# Altium PCB BW1097.PcbDoc (part 3 of 7)
Units mil, origin at the board's own origin, x right, y up, seen from the top; angles counter-clockwise.
Board outline 4330.71 x 2362.21 mil, 6 copper layers (Top Copper, Signal Layer 1, Signal Layer 2, Signal Layer 3, Signal Layer 4, Bottom Copper), stack 62.873 mil thick; 270 components, 263 nets, 1210 pads, 777 vias.
Unrouted connection lines stored in the file: 24.
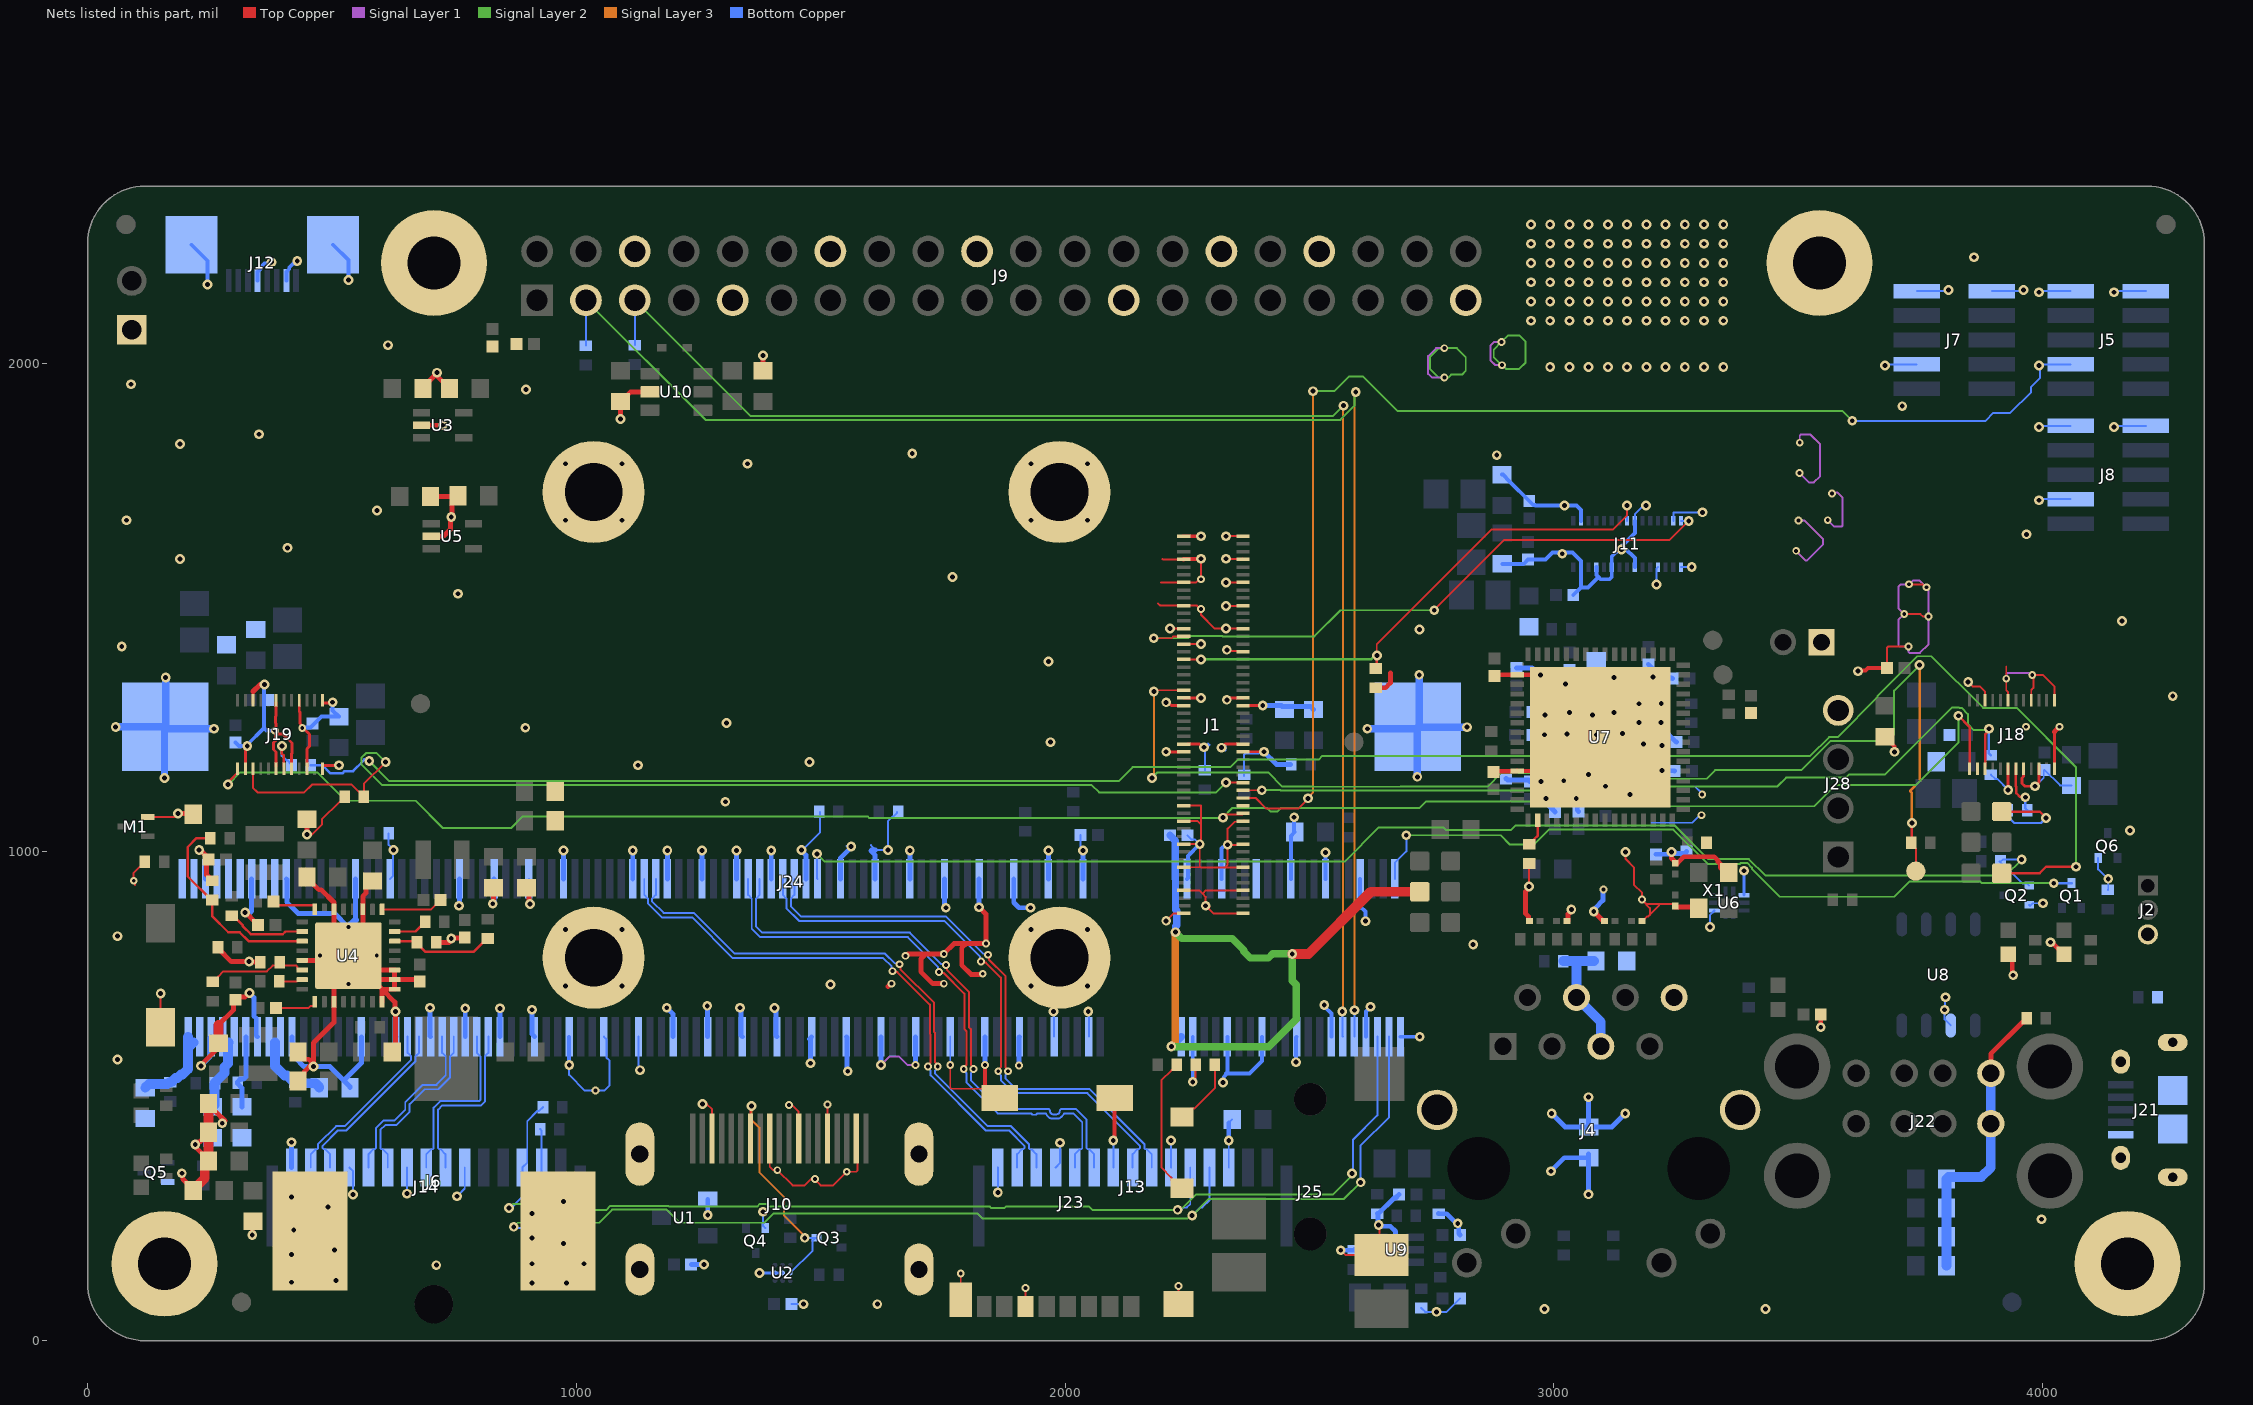
[diagram p7: the nets of this part, all layers, seen from the top]

## Via types
v1: diameter 20, hole 10, Top Copper to Bottom Copper, tented both sides, 657 vias
v2: diameter 16, hole 8, Top Copper to Bottom Copper, tented both sides, 102 vias
v3: diameter 20, hole 10, Top Copper to Bottom Copper, 16 vias
v4: diameter 62.99/0/0/0/0/62.99 (per signal layer), hole 62.99, Top Copper to Bottom Copper, 1 vias
v5: diameter 43.31/50/50/50/50/43.31 (per signal layer), hole 43.31, Top Copper to Bottom Copper, 1 vias

## Nets (pads, with @x,y where several pads share a name; then routed paths per layer and width w, separated by ;. In a path a pad name is that pad's centre, name@x,y a point inside that pad or via, vN(x,y) a via of type N, cw(c..) or ccw(c..) an arc to the next point about the centre after c; other vN are vias at no path point) (continued)
AUX_IO_IRQ: J1.69 J5.3 | length 2662
  Top Copper w4: J1.69@2363.78,1110.24 2389.73,1110.24 2411.25,1088.72 2476.71,1088.72 2496.9,1108.91 v1(2496.9,1109.52)
  Signal Layer 2 w4: v1(2507.19,1942.49) 2550.78,1942.49 2581.23,1972.94 2609.14,1972.94 2680.51,1901.57 3590.55,1901.57 v1(3610.24,1881.89)
  Signal Layer 3 w4: v1(2496.9,1109.52) 2496.9,1111.8 2507.08,1121.97 2507.08,1942.38 v1(2507.19,1942.49)
  Bottom Copper w4: v1(3610.24,1881.89) 3882.88,1881.89 3898.88,1897.89 3933.32,1897.89 3976.13,1940.69 3976.13,1951.51 3994.49,1969.87 v1@3994.49,1997.24 ; v1(3992.13,1994.88) v1@3994.49,1997.24 ; J5.3@4057.09,1997.24 v1@3994.49,1997.24
BST1: C28.1 U4.25 | length 87.8
  Top Copper w4: C28.1@385.27,680.98 452.37,680.98 456.53,685.14 461.86,685.14 464.78,688.06 U4.25@464.78,693.39
BST2: C46.1 U4.9 | length 127.8
  Top Copper w4: U4.9@602.57,882.37 703.17,882.37 C46.1@722.38,901.57
BST3: C53.1 U4.16 | length 94.6
  Top Copper w5: C53.1@380.02,898.23 387.81,890.45 462.36,890.45 464.78,888.02 U4.16@464.78,882.37
CAM1_CLK_N: J14.P8 J24.149 | length 364.9
  Bottom Copper w3.96: J14.P8@692.91,354.33 692.91,381.89 702.75,391.72 705.8,391.72 708.12,394.04 708.12,476.68 721.6,490.16 801.25,490.16 803.72,492.63 803.72,581.68 796.39,589.01 J24.149@796.39,621.89
CAM1_CLK_P: J14.P7 J24.147 | length 364.9
  Bottom Copper w3.96: J14.P7@732.28,354.33 732.28,381.89 722.45,391.72 719.4,391.72 717.08,394.04 717.08,472.97 725.31,481.2 804.96,481.2 812.68,488.92 812.68,581.68 820.01,589.01 J24.147@820.01,621.89
CAM1_D0_N: J14.P14 J24.161 | length 367.6
  Bottom Copper w3.96: J14.P14@456.69,354.33 456.69,381.89 466.53,391.72 469.58,391.72 471.9,394.04 471.9,402.47 508.41,438.98 525.72,438.98 661.99,575.25 661.99,581.68 654.66,589.01 J24.161@654.66,621.89
CAM1_D0_P: J14.P13 J24.159 | length 367.6
  Bottom Copper w3.96: J14.P13@496.06,354.33 496.06,381.89 486.23,391.72 483.17,391.72 480.86,394.04 480.86,398.76 512.12,430.02 529.43,430.02 670.95,571.54 670.95,581.68 678.28,589.01 J24.159@678.28,621.89
CAM1_D1_N: J14.P11 J24.155 | length 367.2
  Bottom Copper w3.96: J14.P11@574.8,354.33 574.8,381.89 584.64,391.72 587.69,391.72 590.01,394.04 590.01,434.78 605.42,450.19 627.72,450.19 650.03,472.51 650.03,487.69 685.78,523.44 713.57,523.44 732.86,542.73 732.86,581.68 725.53,589.01 J24.155@725.53,621.89
CAM1_D1_P: J14.P10 J24.153 | length 367.2
  Bottom Copper w3.96: J14.P10@614.17,354.33 614.17,381.89 604.34,391.72 601.28,391.72 598.97,394.04 598.97,431.07 609.13,441.24 631.43,441.24 658.99,468.8 658.99,483.98 689.49,514.48 717.28,514.48 741.82,539.02 741.82,581.68 749.15,589.01 J24.153@749.15,621.89
CAM_A_CLK_OUT: J1.28 J11.30 | length 1272.9
  Top Copper w4: v1(2181.1,1437.01) 2217.56,1437.01 2221.6,1441.05 J1.28@2241.69,1441.05 ; v1(2755.05,1494.29) 2755.05,1495.21 2897.64,1637.8 3236.22,1637.8 v1(3275.58,1677.16)
  Signal Layer 2 w4: v1(2181.1,1437.01) 2251.45,1437.01 2255.74,1441.3 2321.76,1441.3 2322.27,1440.79 2509.75,1440.79 2563.24,1494.29 v1(2755.05,1494.29)
  Bottom Copper w4: J11.30@3259.84,1677.17 v1(3275.58,1677.16)
CAM_A_PWDN_N: J1.34 J11.23 R28.1 | length 1151
  Top Copper w4: J1.34@2241.69,1393.8 v1(2277.71,1393.8) ; R28.1@2635.42,1375.22 2637.39,1375.22 2637.39,1424.79 2871.92,1659.32 3119.95,1659.32 3149.61,1688.98 v1(3149.61,1708.66)
  Top Copper w5: R28.1@2635.42,1375.22 2637.8,1377.59 v1(2637.8,1401.57)
  Signal Layer 2 w5: v1(2277.71,1393.8) 2625.96,1393.8 2633.74,1401.57 v1(2637.8,1401.57)
  Bottom Copper w4: J11.23@3149.61,1677.17 v1(3149.61,1708.66)
CAM_B_CLK_OUT: J1.73 J18.24 J19.24 | length 3949
  Top Copper w4: v1(2322.99,1069.99) 2322.99,1074.96 2324.85,1076.82 2362.9,1076.82 J1.73@2364.92,1078.84
  Top Copper w5: v1(287.4,1137.79) 290.27,1140.66 290.27,1145.19 307.09,1162.01 J19.24@307.09,1175.59 ; v1(3827.17,1278.42) 3850.39,1255.19 J18.24@3850.39,1175.59
  Signal Layer 2 w4: v1(287.4,1137.79) 312.4,1162.79 470.06,1162.79 517.58,1115.27 528.24,1104.61 671.42,1104.61 727.16,1048.87 866.35,1048.87 889.95,1072.47 1596.15,1072.47 1599.58,1069.05 2322.05,1069.05 v1(2322.99,1069.99) 2322.99,1071.34 2341.28,1089.63 2413.41,1089.63 2420.53,1082.5 2433.79,1082.5 2440.91,1089.63 2724.77,1089.63 2737.98,1102.83 2967.28,1102.83 2976.76,1093.36 3532.44,1093.36 3576.21,1137.13 3740.95,1137.13 3827.17,1223.35 v1(3827.17,1278.42)
CAM_B_D_PWM: J1.65 J19.22 R35.1 | length 2293
  Top Copper w4: J19.22@338.58,1175.59 338.33,1175.34 338.33,1131.17 347.7,1121.79 443.19,1121.79 459.19,1137.79 540.2,1137.79 R35.1@565.26,1112.74 565.26,1138.97 v1(609.96,1183.68) ; v1(2328.89,1141.83) J1.65@2364.92,1141.83
  Signal Layer 2 w4: v1(609.96,1183.68) 591.69,1201.94 569.69,1201.94 560.31,1192.57 560.31,1179.31 602.89,1136.74 2054.3,1136.74 2069.37,1121.67 2308.73,1121.67 v1(2328.89,1141.83)
CAM_B_PWDN_N: J1.67 J18.22 R33.1 | length 1769
  Top Copper w4: J1.67@2364.92,1126.09 v1(2402.31,1126.09)
  Top Copper w5: J18.22@3881.89,1175.59 3881.89,1240.04 3889.76,1247.91 v1(3889.76,1251.97)
  Signal Layer 2 w4: v1(2402.31,1126.09) 2402.7,1126.47 2440.09,1126.47 2441.05,1125.52 2503.53,1125.52 2503.76,1125.29 2784.88,1125.29 2784.95,1125.36 3066.07,1125.36 3073.04,1118.38 3111.83,1118.38 3127.23,1133.79 3456.62,1133.79 3474.76,1151.93 3597.06,1151.93 3603.59,1158.46 3677.51,1158.46 3813.98,1294.92 3829.02,1294.92 3829.52,1294.42 3833.79,1294.42 3846.54,1281.67 3846.54,1261.76 3859.08,1249.22 3887.01,1249.22 v1(3889.76,1251.97)
  Bottom Copper w5: v1(3889.76,1251.97) 3889.76,1201.41 R33.1@3893.7,1197.46
CD1_SCL: J13.P5 J14.P3 J24.5 R57.1 | length 2438.1
  Signal Layer 2 w4: v1(862.2,271.65) 870.08,279.53 948.62,279.53 960.81,267.34 1061.12,267.34 1069.75,275.97 1187.87,275.97 1189.61,274.23 1369.71,274.23 1375.26,279.78 1388.51,279.78 1394.06,274.23 1845.87,274.23 1848.95,271.15 1875.46,271.15 1878.54,274.23 2048.89,274.23 2055.43,267.7 v1(2230.11,267.7) 2236.2,267.7 2267.32,298.82 2547.57,298.82 2586.97,338.22 v1(2586.97,342.13)
  Bottom Copper w4: v1(862.2,271.65) 862.2,266.66 889.76,294.22 J14.P3@889.76,354.33 899.57,364.14 899.57,449.05 920.55,470.02 923.74,470.02 R57.1@931.75,478.03 ; v1(2230.11,267.7) 2234.03,263.78 2243.06,272.8 2249.18,272.8 2255.91,279.53 J13.P5@2255.91,354.33 ; v1(2586.97,342.13) 2587.34,341.77 2588.84,343.27 2588.84,410.85 2638.91,460.92 J24.5@2638.91,621.89
CD1_SDA: J13.P4 J14.P2 J24.3 R56.1 | length 2492
  Signal Layer 2 w4: v1(871.83,232.97) 880.14,241.28 1046.38,241.28 1073.06,267.97 1184.56,267.97 1211.25,241.28 1384.01,241.28 1402.82,260.09 1820.94,260.09 1831.26,249.78 2249.38,249.78 2255.51,255.91 v1(2259.84,255.91) 2293.89,289.96 2570.41,289.96 v1(2604.46,324.02)
  Bottom Copper w4: v1@873.83,232.97 v1(871.83,232.97) 874.67,230.12 910.5,230.12 929.13,248.75 J14.P2@929.13,354.33 929.13,429.86 R56.1@925.92,433.07 ; v1(2259.84,255.91) 2276.87,272.93 2280.54,272.93 2295.28,287.66 J13.P4@2295.28,354.33 ; v1(2604.46,324.02) 2604.46,399.49 2662.53,457.56 J24.3@2662.53,621.89
CD_SW1: J23.9 R52.1 | length 286.5
  Top Copper w4: R52.1@2228.49,564.33 2228.49,562.36 2219.66,553.53 2217.69,553.53 2196.6,532.44 2196.6,354.38 2217.35,333.63 2217.35,329.69 2235.04,312.01 J23.9@2238.98,312.01
CD_SW2: J23.10 R53.2 | length 139.3
  Top Copper w4: J23.10@2238.98,457.68 2256.66,475.36 2264.95,475.36 2306.19,516.6 R53.2@2306.19,564.33
CEC: J10.13 Q3.3 U2.A2 | length 511.3
  Top Copper w4: J10.13@1356.3,413.39 1356.3,478.03 1353.32,481 1354.33,482.01 1356.03,480.31 v1(1358.27,480.31)
  Signal Layer 3 w4: v1(1358.27,480.31) 1358.27,461.49 1353.32,456.55 1374.74,435.13 1374.74,343.58 1425.11,293.21 1425.11,256 1467.26,213.84 v1(1467.26,210.43)
  Bottom Copper w4: U2.A2@1437.73,138.78 1483.43,184.48 1483.43,204.56 Q3.3@1489.31,210.43 ; v1(1467.26,210.43) Q3.3@1489.31,210.43 ; Q3.3@1491.47,210.43 Q3.3@1489.31,210.43
CM_1V8: C89.1 J24.183 J24.184 J24.185 J24.186 R63.2 | length 158
  Bottom Copper w20: 383.51,610.24 383.51,561.73 402.71,542.53 408.26,542.53 423.23,527.56 R63.2@425.2,527.56 426.02,526.73 466.31,526.73 474.03,519.02 C89.1@474.03,517.72
CM_3V3: C91.1 J24.190 J24.191 J24.192 J24.193 J24.194 R66.2 | length 145.6
  Bottom Copper w20: C91.1@255.91,478.35 259.94,482.38 259.94,525.59 R66.2@260.76,526.41 260.76,528.38 280.25,547.87 280.25,559.97 287.4,567.12 287.4,608.73 288.91,610.24
CM_VBAT: C92.1 J24.197 J24.198 J24.199 J24.200 R67.2 | length 185.2
  Bottom Copper w20: C92.1@118.11,517.56 125.83,525.28 163.86,525.28 167.32,528.74 171.26,528.74 179.94,537.42 184.08,537.42 191.15,544.5 194.47,544.5 205.5,555.53 J24.199@205.5,599.21 ; J24.199@205.84,621.89 205.5,621.55 J24.199@205.5,599.21 ; 216.54,610.24 J24.199@205.5,599.21
CM_VDAC: C90.1 J24.189 R65.2 | length 158.1
  Bottom Copper w10: C90.1@316.08,478.35 316.08,516.6 307.09,525.59 307.09,529.53 312.91,535.35 319.49,535.35 323.95,539.81 J24.189@323.95,621.89
COM_AUX_IO2: J1.42 R37.1 TP10.1 | length 2440.7
  Top Copper w4: v1(2181.38,1328.38) 2184.63,1328.38 2186.96,1330.71 J1.42@2242.52,1330.71 ; R37.1@3730.64,1018.3 3730.64,1016.34 3740.16,1006.82 TP10.1@3740.16,960.63
  Top Copper w5: R37.1@3730.64,1018.3 3728.35,1020.6 3732.28,1024.54 v1(3732.28,1059.06)
  Signal Layer 2 w4: v1(2177.36,1151.25) 2188.49,1162.38 2316.71,1162.38 2316.9,1162.57 2415.32,1162.57 2444.36,1133.52 2506.84,1133.52 2507.08,1133.29 2685.65,1133.29 2685.97,1133.6 2864.54,1133.6 2892.43,1161.49 3026.56,1161.49 3045.6,1142.46 3076.85,1142.46 3084.78,1150.38 3198.07,1150.38 3198.88,1149.57 3312.17,1149.57 3329.75,1167.15 3506.23,1167.15 3566,1226.92 3683.44,1226.92 3695.82,1239.3 3695.82,1329.95 v1(3747.98,1382.11)
  Signal Layer 3 w4: v1(2177.36,1151.25) 2177.36,1155.58 2181.38,1159.6 v1(2181.38,1328.38)
  Signal Layer 3 w5: v1(3732.28,1059.06) 3732.28,1120.59 3728.35,1124.53 3750.33,1146.51 3747.98,1148.86 v1(3747.98,1382.11)
COMP1: R14.2 U4.23 | length 48.2
  Top Copper w4: R14.2@392.48,734.97 428.61,734.97 432.3,738.66 U4.23@439.19,738.66
COMP2: R13.2 U4.7 | length 71.6
  Top Copper w5: U4.7@628.16,837.09 670.8,837.09 680.19,846.48 682.16,846.48 690.49,854.81 R13.2@690.49,856.77
COMP3: R12.2 U4.18 | length 162.7
  Top Copper w5: R12.2@295.47,869.68 297.44,869.68 317.95,849.17 317.95,847.69 334.08,831.56 399.35,831.56 404.88,837.09 U4.18@439.19,837.09
CTAP: C1.2 J4.4 J4.5 R21.1 | length 252.4
  Bottom Copper w20: R21.1@3019.04,776.69 3045.87,776.69 J4.4@3045.87,702.26 3095.87,652.26 J4.5@3095.87,602.26 ; 3051.45,776.69 C1.2@3081.86,776.69
DSI1_CLK_N: J13.P11 J24.102 | length 1171.9
  Top Copper w4: v2(1741.96,754.27) 1743.97,752.26 1751.75,752.26 1793.89,710.11 1793.89,637.78 1798.09,633.59 1798.09,564.33 1792.59,558.83 v2(1792.59,555.98)
  Bottom Copper w3.96: v2(1792.59,555.98) 1792.59,553.17 1798.11,547.64 1798.11,528.76 1861.67,465.2 1906.03,465.2 1931.15,465.2 ccw(c1934.15,465.2) 1934.15,462.2 1939.11,462.2 ccw(c1939.11,465.2) 1942.11,465.2 1947.59,465.2 1960.69,465.2 ccw(c1975.5,469.67) 1975.5,454.2 1982.42,454.2 ccw(c1982.42,469.67) 1997.23,465.2 2016.98,465.2 2034.89,447.28 2034.89,394.04 2032.57,391.72 2029.52,391.72 2019.68,381.89 J13.P11@2019.68,354.33
  Bottom Copper w4: J24.102@1351.51,944.72 1351.51,911.85 1358.82,904.54 1358.82,843.11 1376.3,825.63 1678.38,825.63 1739.95,764.06 1739.95,756.28 v2(1741.96,754.27)
DSI1_CLK_P: J13.P10 J24.100 | length 1171.8
  Top Copper w4: v2(1756.1,768.41) 1758.11,766.4 1758.11,758.62 1802.89,713.84 1802.89,641.51 1807.09,637.32 1807.09,564.33 1812.59,558.83 v2(1812.59,555.98)
  Bottom Copper w3.96: v2(1812.59,555.98) 1812.59,553.17 1807.07,547.64 1807.07,532.47 1865.38,474.15 1964.5,474.15 cw(c1964.5,469.67) 1968.98,469.67 ccw(c1975.5,469.67) 1975.5,463.15 1982.42,463.15 ccw(c1982.42,469.67) 1988.94,469.67 cw(c1993.42,469.67) 1993.42,474.15 2021.84,474.15 2043.85,452.14 2043.85,394.04 2046.17,391.72 2049.22,391.72 2059.06,381.89 J13.P10@2059.06,354.33
  Bottom Copper w4: J24.100@1375.13,944.72 1375.13,911.85 1367.82,904.54 1367.82,846.84 1380.03,834.63 1682.11,834.63 1746.31,770.42 1754.09,770.42 v2(1756.1,768.41)
DSI1_D0_N: J13.P8 J24.96 | length 1171.9
  Top Copper w4: v2(1827.95,775.5) 1829.96,773.49 1837.74,773.49 1868.51,742.72 1868.51,559.61 1863.01,554.11 v2(1863.01,551.27)
  Bottom Copper w3.96: v2(1863.01,551.27) 1863.01,548.45 1868.53,542.93 1868.53,533.31 1895.54,506.3 2045.4,506.3 2153,398.7 2153,394.04 2150.68,391.72 2147.63,391.72 2137.8,381.89 J13.P8@2137.8,354.33
  Bottom Copper w4: J24.96@1422.38,944.72 1422.38,911.85 1429.69,904.54 1429.69,884.77 1455.47,858.99 1752.24,858.99 1825.94,785.29 1825.94,777.51 v2(1827.95,775.5)
DSI1_D0_P: J13.P7 J24.94 | length 1171.9
  Top Copper w4: v2(1842.1,789.64) 1844.11,787.63 1844.11,779.85 1877.51,746.45 1877.51,559.61 1883.01,554.11 v2(1883.01,551.27)
  Bottom Copper w3.96: v2(1883.01,551.27) 1883.01,548.45 1877.48,542.93 1877.48,537.02 1899.25,515.26 2049.11,515.26 2161.96,402.41 2161.96,394.04 2164.28,391.72 2167.33,391.72 2177.17,381.89 J13.P7@2177.17,354.33
  Bottom Copper w4: J24.94@1446,944.72 1446,911.85 1438.69,904.54 1438.69,888.5 1459.2,867.99 1755.97,867.99 1832.31,791.65 1840.09,791.65 v2(1842.1,789.64)
DSI1_D1_N: J13.P14 J24.120 | length 1174.4
  Top Copper w4: v2(1646.79,755.98) 1648.8,753.97 1656.57,753.97 1723.03,687.52 1723.03,627.67 1724.79,625.91 1724.79,569.13 1719.29,563.63 v2(1719.29,560.79)
  Bottom Copper w3.96: v2(1719.29,560.79) 1719.29,557.97 1724.81,552.45 1724.81,542.83 1837.63,430.02 1885.46,430.02 1916.78,398.7 1916.78,394.04 1914.46,391.72 1911.41,391.72 1901.57,381.89 J13.P14@1901.57,354.33
  Bottom Copper w4: J24.120@1138.91,944.72 1138.91,911.85 1146.22,904.54 1146.22,894.64 1174.72,866.14 1236.91,866.14 1320.21,782.84 1627.71,782.84 1644.78,765.77 1644.78,757.99 v2(1646.79,755.98)
DSI1_D1_P: J13.P13 J24.118 | length 1174.4
  Top Copper w4: v2(1660.93,770.13) 1662.94,768.12 1662.94,760.34 1732.03,691.25 1732.03,631.4 1733.79,629.64 1733.79,569.13 1739.29,563.63 v2(1739.29,560.79)
  Bottom Copper w3.96: v2(1739.29,560.79) 1739.29,557.97 1733.77,552.45 1733.77,546.54 1841.34,438.98 1889.17,438.98 1925.74,402.41 1925.74,394.04 1928.06,391.72 1931.11,391.72 1940.94,381.89 J13.P13@1940.94,354.33
  Bottom Copper w4: J24.118@1162.53,944.72 1162.53,911.85 1155.22,904.54 1155.22,898.37 1178.45,875.14 1240.63,875.14 1323.94,791.84 1631.44,791.84 1651.14,772.14 1658.92,772.14 v2(1660.93,770.13)
EMMC_DISABLE_N: J24.2 Q1.3 | length 1555.1
  Signal Layer 2 w4: v1(2697.83,1034.08) 2890.9,1034.08 2909.99,1014.99 2958.9,1014.99 2989.6,1045.69 3244.24,1045.69 3314.6,975.33 3380.26,975.33 3382.26,977.33 3395.52,977.33 3404.89,967.96 3404.89,965.13 3461.79,908.23 3696.21,908.23 3727.1,939.12 3872.15,939.12 3875.35,935.93 v1(4022.47,935.93)
  Bottom Copper w4: J24.2@2674.34,944.72 2674.34,977.6 2697.83,1001.09 v1(2697.83,1034.08)
  Bottom Copper w5: v1(4022.47,935.93) Q1.3@4058.84,935.93
EMMC_EN_N_1V8: J24.90 Q2.1 R3.1 | length 2741.1
  Signal Layer 2 w4: v1(1492.12,996.06) 1508.12,980.06 2571.69,980.06 2641.71,1050.08 2773.71,1050.08 2779.46,1044.33 2911.47,1044.33 2920.82,1053.69 3247.56,1053.69 3315.92,985.33 3398.83,985.33 3432.24,951.93 3924.37,951.93 v1(3956.69,984.25)
  Bottom Copper w4: v1(1492.12,996.06) 1492.12,945.84 J24.90@1493.24,944.72 ; R3.1@3911.42,980.71 R3.1@3913.39,978.74 ; v1(3956.69,984.25) 3918.28,984.25 3913.39,979.36 R3.1@3913.39,978.74 ; Q2.1@3972.24,931.09 3972.05,931.09 3967.39,935.74 3958.35,935.74 3924.18,969.91 3922.21,969.91 R3.1@3913.39,978.74
ETH_GND: J4.8 J4.MH1 J4.MH2 J4.S1 J4.S2 R22.2 | length 198.7
  Bottom Copper w10: v1(2993.63,346.65) 3021.19,374.21 R22.2@3070.87,374.21 ; v1(3070.87,299.41) 3070.87,346.65 ; R22.2@3070.86,381.89 R22.2@3070.87,374.21 ; 3070.87,346.67 R22.2@3070.87,374.21 ; 3070.86,346.66 R22.2@3070.87,374.21
EXRES: R44.2 U7.50 | length 57.4
  Top Copper w5: R44.2@2949.35,1015.69 2951.32,1015.69 2959.65,1024.02 2959.65,1025.99 2966.54,1032.88 U7.50@2966.54,1064.79
FB1: R6.1 R7.2 U4.22 | length 209.3
  Top Copper w4: R6.1@256.37,734.1 258.34,734.1 267.17,742.93 267.17,744.9 277.82,755.55 367.05,755.55 378.63,767.12 385.89,767.12 R7.2@393.11,774.34 400.34,767.11 427.03,767.11 429.38,764.77 429.38,761.27 432.3,758.35 U4.22@439.19,758.35
FB2: R8.1 R9.2 U4.6 | length 212.3
  Top Copper w5: U4.6@628.16,817.4 671.51,817.4 R9.2@674.08,814.84 674.08,812.87 691.4,795.54 789.64,795.54 816.93,822.83 R8.1@818.9,822.83
FB3: R10.1 R15.2 U4.19 | length 421.2
  Top Copper w5: R10.1@251.36,1028.06 223.14,1028.06 205.12,1010.04 205.12,949.88 255.39,899.61 255.39,868.15 287.95,835.58 311.13,835.58 329.3,817.4 U4.19@439.19,817.4
FSIN1: R34.2 R79.1 R81.2 | length 197
  Top Copper w5: R81.2@3916.2,1082.48 3993.76,1082.48 v1(4006.75,1069.49)
  Bottom Copper w5: R34.2@3928.57,1085.25 3928.57,1072.08 3941.6,1059.06 3996.32,1059.06 v1(4006.75,1069.49)
FSIN1_IN: J18.18 R34.1 | length 105.8
  Top Copper w5: J18.18@3944.88,1175.59 J18.18@3944.88,1170.28 3944.88,1134.16 3945.63,1133.41 3945.63,1120.31 3953.31,1112.64 3963.33,1112.64 v1(3964.28,1111.69)
  Bottom Copper w5: v1(3964.28,1111.69) 3964.28,1088.91 R34.1@3967.94,1085.25
FSIN2: R36.2 R80.2 R83.2 | length 4211.3
  Top Copper w5: R83.2@3916.2,956.5 3993.76,956.5 4006.75,969.49 v1(4067.91,969.49)
  Signal Layer 2 w4: v1(576.31,1185.94) 617.52,1144.74 2109.21,1144.74 2138.03,1173.55 2337.99,1173.55 2353.26,1188.83 2518.71,1188.83 2526.37,1196.49 3524.26,1196.49 3562.68,1234.92 3580.05,1234.92 3661.76,1316.62 3661.76,1318.52 3743.46,1400.22 3772.12,1400.22 3877.85,1294.49 3946.81,1294.49 4067.91,1173.39 v1(4067.91,969.49)
  Bottom Copper w5: R36.2@456.69,1177.17 480.32,1177.17 496.82,1160.67 521.23,1160.67 525.92,1165.35 543.31,1165.35 562.94,1184.98 562.94,1185.94 566.93,1189.93 570.92,1185.94 v1(576.31,1185.94)
FSIN2_IN: J19.18 R36.1 | length 91.2
  Top Copper w5: v1(397.64,1216.53) 397.64,1200.79 401.57,1196.85 J19.18@401.57,1175.59
  Bottom Copper w5: v1(397.64,1216.53) 397.64,1196.85 407.03,1187.46 409,1187.46 417.32,1179.13 R36.1@417.32,1177.17
GND: B1.1 C1.1 C2.1 C3.1 C4.1 C5.1 C6.1 C7.1 C8.1 C9.1 C10.1 C11.1 C12.1 C13.1 C14.1 C15.1 C16.1 C17.1 C18.2 C19.2 C20.2 C21.1 C22.1 C23.1 C24.1 C25.1 C27.2 C29.1 C30.2 C31.1 C32.1 C33.1 C34.1 C35.1 C36.1 C37.1 C38.1 C39.2 C40.1 C41.2 C42.2 C43.2 C44.1 C45.2 C47.2 C48.2 C49.2 C50.1 C51.2 C52.2 C54.2 C55.2 C56.2 C57.2 C58.1 C59.2 C60.2 C61.1 C62.1 C63.1 C64.1 C65.1 C66.1 C67.1 C68.1 C69.1 C70.1 C71.1 C72.1 C73.1 C74.1 C75.1 C76.1 C77.1 C78.1 C79.2 C80.2 C81.2 C82.2 C83.1 C84.1 C85.1 C86.1 C87.1 C88.1 C89.2 C90.2 C91.2 C92.2 C94.1 C95.1 C97.1 C126.2 C127.2 D10.1 D11.1 J1.1 J1.2 J1.7 J1.8 J1.13 J1.14 J1.19 J1.20 J1.25 J1.26 J1.30 J1.31 J1.43 J1.44 J1.45 J1.46 J1.55 J1.56 J1.57 J1.58 J1.71 J1.72 J1.75 J1.76 J1.81 J1.82 J1.87 J1.88 J1.93 J1.94 J1.99 J1.100 J2.3 J5.9 J5.10 J6.2 J6.3 J7.3 J7.9 J7.10 J8.3 J8.9 J8.10 J9.6 J9.9 J9.14 J9.20 J9.25 J9.30 J9.34 J9.39 J10.2 J10.5 J10.8 J10.11 J10.17 J10.20 J10.21 J10.22 J10.23 J11.1 J11.4 J11.7 J11.10 J11.12 J11.14 J11.17 J11.24 J11.29 J12.4 J12.7 J12.MP1 J12.MP2 J13.P3 J13.P6 J13.P9 J13.P12 J13.P15 J14.P6 J14.P9 J14.P12 J14.P15 J15.P1 J18.3 J18.6 J18.9 J18.12 J18.13 J18.15 J18.17 J18.19 J18.23 J19.3 J19.6 J19.9 J19.12 J19.13 J19.15 J19.17 J19.19 J19.23 J21.5 J21.6 J21.7 J21.8 J21.9 J21.10 J21.11 J22.4 J22.8 J23.6 J23.11 J23.12 J23.13 J23.14 J24.1 J24.7 J24.8 J24.13 J24.14 J24.19 J24.20 J24.25 J24.26 J24.31 J24.32 J24.37 J24.38 J24.43 J24.44 J24.49 J24.50 J24.55 J24.56 J24.61 J24.62 J24.67 J24.68 J24.73 J24.74 J24.79 J24.80 J24.85 J24.86 J24.91 J24.92 J24.97 J24.98 J24.103 J24.104 J24.109 J24.110 J24.115 J24.116 J24.121 J24.122 J24.127 J24.133 J24.134 J24.139 J24.140 J24.145 J24.146 J24.151 J24.152 J24.157 J24.163 J24.164 J24.169 J24.170 J24.181 J24.182 J24.187 J24.188 J24.195 J24.196 J24.MP1 J24.MP2 J25.4 J28.4 J29.1 M1.2 MTG1.1 MTG2.1 MTG3.1 MTG4.1 MTG7.1 MTG8.1 MTG9.1 MTG10.1 Q2.2 Q4.2 Q5.2 Q6.2 R2.1 R7.1 R9.1 R11.1 R15.1 R22.1 R25.1 R28.2 R33.2 R35.2 R39.1 R42.1 R43.1 R44.1 R48.1 R53.1 R59.1 R60.1 R61.1 R62.1 R64.1 R69.1 R70.1 R72.1 R73.1 R75.1 U1.1 U2.B2 U2.C2 U3.2 U4.1 U4.2 U4.3 U4.11 U4.14 U4.21 U4.27 U4.32 U4.33 U5.2 U6.3 U6.8 U7.34 U7.44 U7.65 U8.6 U9.2 U10.2 X1.2 X1.4 | length 21938.1
  Top Copper w4: 96.78,932.21 96.78,938.65 v2(94.49,940.94) 94.49,957.05 106.64,969.2 108.61,969.2 117.43,978.03 R75.1@117.43,980 ; M1.2@123.14,1071.4 180.63,1071.4 187.97,1078.74 v1(185.04,1078.74) ; B1.1@149.61,641.61 v1(149.61,710.07) ; v1(448.82,1035.65) 459.43,1035.65 479.54,1055.77 479.54,1066.39 515.09,1101.94 517.06,1101.94 525.88,1110.77 R35.2@525.88,1112.74 ; J6.2@454.72,125.98 J6.2@458.66,129.92 ; v1(1257.87,484.18) 1266.95,484.18 1277.56,473.57 J10.17@1277.56,413.39 ; J10.11@1395.67,413.39 1395.67,356.28 1403.14,348.81 v2(1411.16,348.81) 1442.26,317.7 1466.97,317.7 1479.98,330.71 v2(1488.19,330.71) 1488.19,329.41 1499.89,317.7 1525.2,317.7 v2(1553.15,345.65) 1572.77,345.65 1575.11,347.99 1575.11,411.11 J10.2@1572.84,413.39 ; v2(1434.76,482.28) 1440.38,482.28 1454.73,467.94 J10.8@1454.73,413.39 ; J10.5@1513.78,413.39 v2(1513.78,483.15) ; v2(1764.9,563.79) 1764.9,517.76 1767.24,515.42 1841.13,515.42 1860.48,496.06 J23.12@1866.14,496.06 ; J23.13@1786.42,83.66 v2(1786.42,137.66) ; J23.6@1918.7,69.88 v2(1918.7,107.68) ; 2190.29,1508.05 2194.31,1504.04 2269.54,1504.04 2276.8,1496.78 v2(2277.88,1496.78) 2277.88,1485.1 2306.19,1456.79 v1(2328.89,1456.79) J1.25@2364.92,1456.79 ; 2195.99,1550.57 2196.7,1551.28 2267.88,1551.28 2275.88,1559.29 v2@2277.51,1557.66 ; 2199.09,1599.05 2199.61,1598.53 J1.8@2241.69,1598.53 ; v1(2206.64,858.99) 2221.77,874.12 J1.100@2241.69,874.12 ; v1(2214.72,1456.79) J1.26@2241.69,1456.79 ; v2(2232.09,112.21) J23.14@2232.09,74.8 J23.14@2235.04,77.76 ; J1.76@2241.54,1062.99 2271.12,1062.99 2277.71,1056.4 ; J1.72@2241.54,1094.49 2241.64,1094.59 J1.72@2241.69,1094.59 ; J1.72@2241.54,1094.74 J1.72@2241.69,1094.59 ; J1.94@2241.69,921.36 2274.25,921.36 2281.14,914.48 ; J1.88@2241.69,968.6 2277.71,968.6 ; J1.82@2241.69,1015.85 v1(2275.35,1015.85) ; J1.30@2241.69,1425.3 v1(2277.71,1425.3) ; v1(2260.96,529.56) 2260.96,532.04 2266.82,537.9 R53.1@2266.82,564.33 ; v2(2277.71,1557.66) v2@2277.51,1557.66 ; v1(2277.71,1599.57) 2277.71,1557.86 v2@2277.51,1557.66 ; 2288.4,907.21 2288.02,907.59 ; v1@2295.21,887.47 v1@2289.69,887.47 ; v1(2328.89,1503.28) 2364.16,1503.28 J1.19@2364.92,1504.04 ; v1(2328.89,1551.28) J1.13@2364.92,1551.28 ; v1(2328.89,1599.58) 2336.01,1599.58 2362.77,1599.58 2363.32,1600.12 J1.7@2364.92,1598.53 ; v1(2328.89,1645.77) J1.1@2364.92,1645.77 ; v1(2330.7,1413.38) 2332.67,1411.42 2363.05,1411.42 J1.31@2364.92,1409.55 ; J1.99@2364.76,874.02 2303.14,874.02 v1@2289.69,887.47 ; J1.93@2364.76,921.26 2287.92,921.26 2281.14,914.48 ; J1.87@2364.76,968.5 2327.49,968.5 ; J1.75@2364.76,1062.99 2363.46,1061.68 2346.49,1061.68 2332.46,1047.66 v1(2332.46,1014.52) ; J1.81@2364.92,1015.85 2363.59,1014.52 v1(2332.46,1014.52) ; J1.75@2364.92,1063.09 J1.75@2365.83,1064.01 ; v1(2563.71,185.04) 2573.56,175.2 2643.31,175.2 2643.31,234.48 v1(2641.27,236.51) ; U7.65@2966.94,1165.57 3036.71,1235.34 U7.65@3095.36,1235.34 ; v1(3146.54,1000) 3146.54,985.45 3163.39,968.6 3163.39,932.83 3180.12,916.1 v2(3180.12,902.52) ; C5.1@3180.32,858.27 3181.1,858.27 3191.06,868.22 3193.01,868.22 3196.03,871.24 ; C86.1@3248.03,887.4 3241.73,893.7 3215.33,893.7 ; C32.1@3681.47,1376.6 3681.47,1417.94 3683.81,1420.28 v2(3725.23,1420.28) ; v2(3716.53,1486.56) 3749.74,1486.56 3754.54,1481.76 3766.1,1481.76 v2(3766.2,1481.67) ; v2(3726,1547.46) 3753.59,1547.46 3759.71,1541.34 v2(3761.93,1541.34) ; v1(3847.32,1347.64) 3856.38,1338.58 3870.67,1338.58 3881.89,1327.36 J18.3@3881.89,1304.72 ; 3925.19,1379.75 v2(3925.19,1354.33) 3925.19,1330.71 3929.13,1326.76 J18.6@3929.13,1304.72 ; J18.9@3976.38,1304.72 3976.38,1331.18 3980.91,1335.71 3980.91,1353.27 3980.6,1353.57 3980.6,1359.32 v2(3978.31,1361.61) 4000.59,1361.61 4023.62,1338.58 J18.12@4023.62,1304.72 ; J1.72@2241.69,1094.59 2277.71,1094.59 2277.71,1056.4 ; v1(2275.35,1015.85) 2277.71,1018.21 2277.71,1056.4 ; v1(2275.35,1015.85) 2275.35,970.97 2277.71,968.6 ; 2277.71,968.6 2277.81,968.5 2327.49,968.5 ; 2281.14,914.48 2288.02,907.6 ; 2288.02,907.59 2287.4,906.97 v1(2287.4,889.76) v1@2289.69,887.47 ; 2327.49,968.5 2332.46,973.47 v1(2332.46,1014.52) ; v2(3180.12,902.52) 3180.12,900.98 3196.03,885.07 3196.03,871.24 ; v2(3180.12,902.52) 3188.93,893.7 3215.33,893.7 ; 3196.03,871.24 3215.33,890.55 3215.33,893.7